# Altium PCB PCB_VHDCI_breakout.PCBDOC (part 6 of 6)
Units mm, origin at the board's own origin, x right, y up, seen from the top; angles counter-clockwise.
Board outline 159.99 x 100 mm, 4 copper layers (TopLayer, Internal Plane 1, Internal Plane 2, BottomLayer), stack 1.622 mm thick; 81 components, 168 nets, 660 pads, 330 vias.
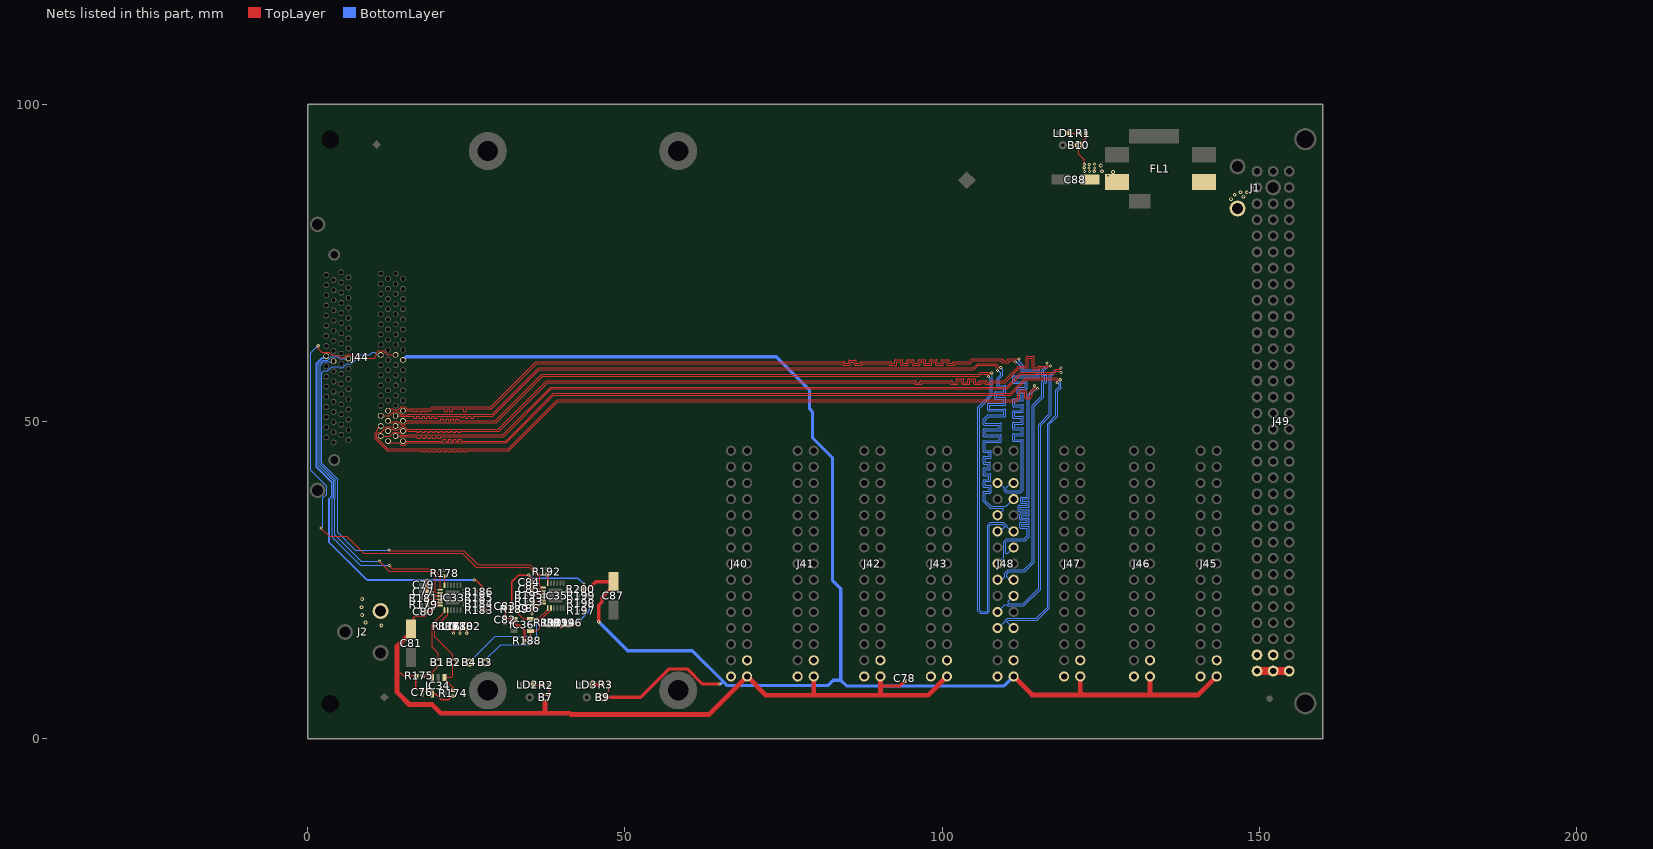
[diagram p8: the nets of this part, all layers, seen from the top]

## Via types
v1: diameter 0.5, hole 0.2, TopLayer to BottomLayer, tented both sides, 278 vias
v2: diameter 0.6, hole 0.3, TopLayer to BottomLayer, tented both sides, 52 vias

## Nets (pads, with @x,y where several pads share a name; then routed paths per layer and width w, separated by ;. In a path a pad name is that pad's centre, name@x,y a point inside that pad or via, vN(x,y) a via of type N, cw(c..) or ccw(c..) an arc to the next point about the centre after c; other vN are vias at no path point) (continued)
LVDS8_2_N: J44.U62 J48.6 | length 160.8
  TopLayer w0.127: J44.U62@15.025,51.671 15.044,51.69 15.825,51.69 15.85,51.665
  TopLayer w0.152: 15.85,51.665 16.2,51.665 16.403,51.665 16.81,51.665 16.81,51.487 17.216,51.487 17.216,51.665 17.622,51.665 17.622,51.487 18.029,51.487 18.029,51.665 18.435,51.665 18.435,51.487 18.842,51.487 18.842,51.665 19.248,51.665 19.485,51.665 19.816,51.996 20.019,51.996 20.425,51.996 20.832,51.996 21,51.996 ; v1(111.547,59.325) 111.547,59.453 111.486,59.514 110.595,59.514 110.595,59.405 cw(c110.443,59.405) 110.443,59.253 109.528,59.253 cw(c109.528,59.405) 109.376,59.405 109.376,59.514 104.814,59.514 104.395,59.095 101.995,59.095 101.995,58.959 cw(c101.843,58.959) 101.843,58.806 100.928,58.806 cw(c100.928,58.959) 100.776,58.959 100.776,59.389 100.166,59.389 100.166,58.959 cw(c100.014,58.959) 100.014,58.806 99.1,58.806 cw(c99.1,58.959) 98.947,58.959 98.947,59.389 98.338,59.389 98.338,58.959 cw(c98.185,58.959) 98.185,58.806 97.271,58.806 cw(c97.271,58.959) 97.118,58.959 97.118,59.389 96.509,59.389 96.509,58.959 cw(c96.356,58.959) 96.356,58.806 95.442,58.806 cw(c95.442,58.959) 95.29,58.959 95.29,59.389 94.68,59.389 94.68,58.959 cw(c94.528,58.959) 94.528,58.806 93.613,58.806 cw(c93.613,58.959) 93.461,58.959 93.461,59.389 92.851,59.389 92.851,58.959 cw(c92.699,58.959) 92.699,58.806 91.784,58.806 cw(c91.784,58.959) 91.632,58.959 91.632,59.095 87.395,59.095 87.395,59.004 cw(c87.243,59.004) 87.243,58.852 86.328,58.852 cw(c86.328,59.004) 86.176,59.004 86.176,59.343 85.566,59.343 85.566,59.004 cw(c85.414,59.004) 85.414,58.852 84.5,58.852 cw(c84.5,59.004) 84.347,59.004 84.347,59.095 36.095,59.095 28.996,51.996 26.1,51.996 25.5,51.996 25.422,51.996 25.016,51.996 25.016,51.487 24.61,51.487 24.61,51.996 24.203,51.996 24,51.996 23,51.996 ; 21,51.996 21.171,51.996 ; 21,51.996 21.171,51.996 ; 21.171,51.996 21.578,51.996 ; 21.171,51.996 21.578,51.996 ; 21.578,51.487 21.578,51.996 ; 21.578,51.487 21.578,51.996 ; 21.578,51.487 21.984,51.487 ; 21.578,51.487 21.984,51.487 ; 21.984,51.487 21.984,51.996 ; 21.984,51.487 21.984,51.996 ; 21.984,51.996 22.39,51.996 ; 21.984,51.996 22.39,51.996 ; 22.39,51.487 22.39,51.996 ; 22.39,51.487 22.39,51.996 ; 22.39,51.487 22.797,51.487 ; 22.39,51.487 22.797,51.487 ; 22.797,51.487 22.797,51.996 ; 22.797,51.487 22.797,51.996 ; 22.797,51.996 23,51.996 ; 22.797,51.996 23,51.996
  BottomLayer w0.152: J48.6@111.255,40.276 110.876,40.276 110.1,39.5 110.1,39.144 110.2,39.044 112.239,39.044 112.495,39.3 112.495,46.818 111.259,46.818 cw(c111.259,46.97) 111.106,46.97 111.106,47.884 cw(c111.259,47.884) 111.259,48.037 112.495,48.037 112.495,48.646 111.259,48.646 cw(c111.259,48.799) 111.106,48.799 111.106,49.713 cw(c111.259,49.713) 111.259,49.866 112.495,49.866 112.495,50.475 111.259,50.475 cw(c111.259,50.628) 111.106,50.628 111.106,51.542 cw(c111.259,51.542) 111.259,51.694 112.495,51.694 112.495,52.304 111.259,52.304 cw(c111.259,52.456) 111.106,52.456 111.106,53.371 cw(c111.259,53.371) 111.259,53.523 112.495,53.523 112.495,54.133 111.951,54.133 cw(c111.951,54.285) 111.799,54.285 111.799,55.2 cw(c111.951,55.2) 111.951,55.352 113.06,55.352 113.06,55.962 111.259,55.962 cw(c111.259,56.114) 111.106,56.114 111.106,57.028 cw(c111.259,57.028) 111.259,57.181 114.989,57.181 114.989,57.79 112.648,57.79 cw(c112.648,57.943) 112.495,57.943 112.495,58.604 111.774,59.325 v1(111.547,59.325)
LVDS8_2_P: J44.U28 J48.5 | length 157.1
  TopLayer w0.127: J44.U28@12.675,51.671 12.948,51.944 13.496,51.944 13.61,51.83 14.279,51.83 14.76,52.311 15.29,52.311 15.657,51.944 15.825,51.944 15.85,51.97
  TopLayer w0.152: 15.85,51.97 19.359,51.97 19.6,52.211 19.689,52.3 20.019,52.3 20.425,52.3 20.832,52.3 21,52.3 21.171,52.3 21.578,52.3 21.984,52.3 22.39,52.3 22.797,52.3 23,52.3 28.869,52.3 35.969,59.4 84.5,59.4 cw(c84.5,59.248) 84.652,59.248 84.652,59.157 85.262,59.157 85.262,59.496 cw(c85.414,59.496) 85.414,59.648 86.328,59.648 cw(c86.328,59.496) 86.481,59.496 86.481,59.157 87.09,59.157 87.09,59.248 cw(c87.243,59.248) 87.243,59.4 91.784,59.4 cw(c91.784,59.248) 91.937,59.248 91.937,59.111 92.546,59.111 92.546,59.541 cw(c92.699,59.541) 92.699,59.694 93.613,59.694 cw(c93.613,59.541) 93.766,59.541 93.766,59.111 94.375,59.111 94.375,59.541 cw(c94.528,59.541) 94.528,59.694 95.442,59.694 cw(c95.442,59.541) 95.594,59.541 95.594,59.111 96.204,59.111 96.204,59.541 cw(c96.356,59.541) 96.356,59.694 97.271,59.694 cw(c97.271,59.541) 97.423,59.541 97.423,59.111 98.033,59.111 98.033,59.541 cw(c98.185,59.541) 98.185,59.694 99.1,59.694 cw(c99.1,59.541) 99.252,59.541 99.252,59.111 99.862,59.111 99.862,59.541 cw(c100.014,59.541) 100.014,59.694 100.928,59.694 cw(c100.928,59.541) 101.081,59.541 101.081,59.111 101.69,59.111 101.69,59.248 cw(c101.843,59.248) 101.843,59.4 104.269,59.4 104.687,59.818 109.528,59.818 cw(c109.528,59.666) 109.681,59.666 109.681,59.558 110.29,59.558 110.29,59.666 cw(c110.443,59.666) 110.443,59.818 111.486,59.818 112.081,59.818 v1(112.1,59.8)
  BottomLayer w0.152: J48.5@108.715,40.276 109.019,40.276 109.795,39.5 109.795,39.018 110.074,38.739 112.365,38.739 112.8,39.174 112.8,46.97 ccw(c112.648,46.97) 112.648,47.122 111.411,47.122 111.411,47.732 112.648,47.732 ccw(c112.648,47.884) 112.8,47.884 112.8,48.799 ccw(c112.648,48.799) 112.648,48.951 111.411,48.951 111.411,49.561 112.648,49.561 ccw(c112.648,49.713) 112.8,49.713 112.8,50.628 ccw(c112.648,50.628) 112.648,50.78 111.411,50.78 111.411,51.39 112.648,51.39 ccw(c112.648,51.542) 112.8,51.542 112.8,52.456 ccw(c112.648,52.456) 112.648,52.609 111.411,52.609 111.411,53.218 112.648,53.218 ccw(c112.648,53.371) 112.8,53.371 112.8,54.285 ccw(c112.648,54.285) 112.648,54.438 112.104,54.438 112.104,55.047 113.212,55.047 ccw(c113.212,55.2) 113.365,55.2 113.365,56.114 ccw(c113.212,56.114) 113.212,56.266 111.411,56.266 111.411,56.876 115.141,56.876 ccw(c115.141,57.028) 115.294,57.028 115.294,57.943 ccw(c115.141,57.943) 115.141,58.095 112.8,58.095 112.8,58.731 112.702,58.828 112.025,59.505 112.025,59.733 v1@111.99,59.768
LVDS8_3_N: J44.U63 J48.9 | length 156.8
  TopLayer w0.127: J44.U63@13.875,50.871 14.56,50.871 14.654,50.776 15.395,50.776 15.42,50.801 15.825,50.801 15.85,50.776
  TopLayer w0.152: 15.85,50.776 16.2,50.776 16.403,50.776 16.81,50.776 16.81,50.497 17.216,50.497 17.216,50.776 17.622,50.776 17.622,50.497 18.029,50.497 18.029,50.776 18.435,50.776 18.435,50.497 18.842,50.497 18.842,50.776 19.248,50.776 19.248,50.497 19.654,50.497 19.654,50.776 20.061,50.776 20.061,50.497 20.467,50.497 20.467,50.776 20.874,50.776 21.28,50.776 21.686,50.776 22.093,50.776 22.499,50.776 22.906,50.776 23.312,50.776 23.718,50.776 24.125,50.776 24.125,50.667 24.531,50.667 24.531,50.776 24.938,50.776 24.938,50.497 25.344,50.497 25.344,50.776 25.75,50.776 25.75,50.497 26.157,50.497 26.157,50.776 26.563,50.776 26.7,50.776 29.207,50.776 36.526,58.095 104.995,58.095 105.702,58.802 108.298,58.802 108.5,58.6 108.5,58.518 108.778,58.239 v1@108.778,58.077
  TopLayer w0.254: v1@108.778,58.03 v1@108.778,58.077
  BottomLayer w0.152: J48.9@108.715,35.41 J48.9@108.715,35.196 108.796,35.196 109.6,36 109.6,36.295 107.574,36.295 107.484,36.384 106.48,37.389 106.48,38.842 cw(c106.632,38.842) 106.632,38.994 107.39,38.994 107.39,39.604 106.632,39.604 cw(c106.632,39.756) 106.48,39.756 106.48,40.671 cw(c106.632,40.671) 106.632,40.823 107.342,40.823 107.342,41.433 106.632,41.433 cw(c106.632,41.585) 106.48,41.585 106.48,42.5 cw(c106.632,42.5) 106.632,42.652 107.28,42.652 107.28,43.262 106.632,43.262 cw(c106.632,43.414) 106.48,43.414 106.48,44.328 cw(c106.632,44.328) 106.632,44.481 107.412,44.481 107.412,45.09 106.632,45.09 cw(c106.632,45.243) 106.48,45.243 106.48,46.821 cw(c106.632,46.821) 106.632,46.973 109.02,46.973 109.02,47.583 106.632,47.583 cw(c106.632,47.735) 106.48,47.735 106.48,48.65 cw(c106.632,48.65) 106.632,48.802 109.02,48.802 109.02,49.412 106.632,49.412 cw(c106.632,49.564) 106.48,49.564 106.48,50.295 107.208,51.023 109.684,51.023 109.684,51.633 107.325,51.633 cw(c107.325,51.785) 107.172,51.785 107.172,52.7 cw(c107.325,52.7) 107.325,52.852 109.684,52.852 109.684,53.462 108.464,53.462 cw(c108.464,53.614) 108.311,53.614 108.311,54.528 cw(c108.464,54.528) 108.464,54.681 109.684,54.681 109.684,55.29 108.852,55.29 cw(c108.852,55.443) 108.7,55.443 108.7,56.801 109.199,57.3 109.199,57.609 v1@108.778,58.03
  other v1: 108.7,58
LVDS8_3_P: J44.U29 J48.8 | length 156.1
  TopLayer w0.127: J44.U29@11.525,50.871 12.969,50.871 13.61,51.511 14.278,51.511 14.76,51.03 15.29,51.03 15.315,51.055 15.825,51.055 15.85,51.081
  TopLayer w0.152: 15.85,51.081 29.081,51.081 36.4,58.4 104.869,58.4 105.576,59.107 108.424,59.107 108.49,59.041 109.058,58.473 v1(109.221,58.473)
  BottomLayer w0.152: v1(109.221,58.473) 109.58,58.115 109.58,57.609 109.58,57.25 109.414,57.084 109.005,56.675 109.005,55.595 109.836,55.595 cw(c109.836,55.443) 109.989,55.443 109.989,54.528 cw(c109.836,54.528) 109.836,54.376 108.616,54.376 108.616,53.766 109.836,53.766 cw(c109.836,53.614) 109.989,53.614 109.989,52.7 cw(c109.836,52.7) 109.836,52.547 107.477,52.547 107.477,51.938 109.836,51.938 cw(c109.836,51.785) 109.989,51.785 109.989,50.871 cw(c109.836,50.871) 109.836,50.718 107.298,50.718 106.784,50.205 106.784,49.717 109.172,49.717 cw(c109.172,49.564) 109.324,49.564 109.324,48.65 cw(c109.172,48.65) 109.172,48.497 106.784,48.497 106.784,47.888 109.172,47.888 cw(c109.172,47.735) 109.324,47.735 109.324,46.821 cw(c109.172,46.821) 109.172,46.669 106.784,46.669 106.784,45.395 107.565,45.395 cw(c107.565,45.243) 107.717,45.243 107.717,44.328 cw(c107.565,44.328) 107.565,44.176 106.784,44.176 106.784,43.566 107.432,43.566 cw(c107.432,43.414) 107.585,43.414 107.585,42.5 cw(c107.432,42.5) 107.432,42.347 106.784,42.347 106.784,41.738 107.495,41.738 cw(c107.495,41.585) 107.647,41.585 107.647,40.671 cw(c107.495,40.671) 107.495,40.518 106.784,40.518 106.784,39.909 107.542,39.909 cw(c107.542,39.756) 107.695,39.756 107.695,38.842 cw(c107.542,38.842) 107.542,38.69 106.784,38.69 106.784,37.516 107.7,36.6 110.119,36.6 J48.8@111.255,37.736
LVDS8_4_N: J44.U64 J48.12 | length 156
  TopLayer w0.127: J44.U64@15.025,50.071 15.031,50.065 15.825,50.065 15.85,50.09
  TopLayer w0.152: 15.85,50.09 20.8,50.09 21.003,50.09 21.003,50.37 21.41,50.37 21.41,50.09 21.816,50.09 21.816,50.37 22.222,50.37 22.222,50.09 22.629,50.09 22.629,50.37 23.035,50.37 23.035,50.09 23.442,50.09 23.442,50.37 23.848,50.37 23.848,50.09 23.9,50.09 29.59,50.09 36.8,57.3 36.905,57.405 105.674,57.405 105.984,57.716 107.316,57.716 107.331,57.716 107.526,57.52 v1@107.688,57.52
  TopLayer w0.254: v1@107.688,57.52 v1@107.735,57.52
  BottomLayer w0.152: 107.905,57.351 107.905,54.07 105.921,52.086 105.921,20.2 106.121,20 107,20 107.173,20.173 107.173,33.655 107.584,34.066 109.598,34.066 110.137,33.526 110.137,33.4 110.881,32.656 J48.12@111.255,32.656
  other v1: 107.8,57.6
LVDS8_4_P: J44.U30 J48.11 | length 156.1
  TopLayer w0.127: J44.U30@12.675,50.071 12.935,49.811 13.509,49.811 13.61,49.911 14.278,49.911 14.76,49.43 15.29,49.43 15.67,49.811 15.825,49.811 15.85,49.785
  TopLayer w0.152: 15.85,49.785 29.716,49.785 37.031,57.1 105.8,57.1 106.111,57.411 107.189,57.411 107.292,57.308 v1(107.292,57.077)
  BottomLayer w0.152: v1(107.292,57.077) 107.6,56.769 107.6,54.196 105.616,52.212 105.616,31.568 105.641,31.543 105.641,20.084 106.005,19.721 107.116,19.721 107.452,20.057 107.452,33.513 107.7,33.761 109.471,33.761 109.832,33.4 109.089,32.656 J48.11@108.715,32.656
LVDS8_5_N: J44.U65 J48.15 | length 155.9
  TopLayer w0.127: 12.923,45.702 12.917,45.709 12.853,45.645 12.624,45.645 10.888,47.381 10.888,47.402 10.884,47.406 10.884,47.936 10.888,47.94 10.888,48.089 11.111,48.311 11.61,48.311 12.41,49.111 13.715,49.111 J44.U65@13.875,49.271
  TopLayer w0.152: 12.923,45.702 31.602,45.702 39.3,53.4 111.495,53.4 111.884,53.789 111.884,54.379 112.457,54.952 113.016,54.952 113.3,54.668 113.3,53.9 113.383,53.817 113.71,53.817 113.886,53.993 113.886,54.686 v1@114.678,55.478
  BottomLayer w0.152: J48.15@108.715,27.576 109.718,28.579 109.718,31.049 110.169,31.5 112.934,31.5 113.394,31.96 113.394,33.134 112.372,33.134 cw(c112.372,33.287) 112.219,33.287 112.219,33.947 cw(c112.372,33.947) 112.372,34.099 113.394,34.099 113.394,34.455 112.41,34.455 cw(c112.41,34.607) 112.258,34.607 112.258,35.268 cw(c112.41,35.268) 112.41,35.42 113.394,35.42 113.394,35.776 112.149,35.776 cw(c112.149,35.928) 111.996,35.928 111.996,36.589 cw(c112.149,36.589) 112.149,36.741 113.394,36.741 113.394,37.097 112.537,37.097 cw(c112.537,37.249) 112.385,37.249 112.385,37.909 cw(c112.537,37.909) 112.537,38.062 113.394,38.062 113.394,54.127 113.462,54.195 114.375,55.108 114.375,55.225 114.567,55.416 v1(114.567,55.59)
LVDS8_5_P: J44.U31 J48.14 | length 156.6
  TopLayer w0.127: J44.U31@11.525,49.271 11.087,48.834 11.087,48.647 10.634,48.194 10.634,48.045 10.63,48.041 10.63,47.3 10.634,47.297 10.634,47.276 12.519,45.391 12.853,45.391 12.859,45.398
  TopLayer w0.152: 12.859,45.398 17.5,45.398 17.703,45.398 18.11,45.398 18.11,45.239 18.516,45.239 18.516,45.398 18.922,45.398 18.922,45.239 19.329,45.239 19.329,45.398 19.735,45.398 19.735,45.239 20.142,45.239 20.142,45.398 20.548,45.398 20.548,45.239 20.954,45.239 20.954,45.398 21.361,45.398 21.361,45.239 21.767,45.239 21.767,45.398 22.174,45.398 22.174,45.239 22.58,45.239 22.58,45.398 22.986,45.398 22.986,45.239 23.393,45.239 23.393,45.398 23.799,45.398 23.799,45.239 24.206,45.239 24.206,45.398 24.612,45.398 24.612,45.239 25.018,45.239 25.018,45.398 25.1,45.398 31.729,45.398 39.426,53.095 111.701,53.095 112.245,53.639 112.245,54.345 112.573,54.673 112.9,54.673 113.021,54.552 113.021,53.679 113.163,53.537 113.826,53.537 113.831,53.542 113.867,53.542 114.073,53.749 114.184,53.859 114.184,54.553 v1@114.894,55.263
  BottomLayer w0.152: J48.14@111.255,30.116 110.339,29.2 110.023,29.2 110.023,30.923 110.295,31.195 113.061,31.195 113.699,31.834 113.699,33.287 ccw(c113.547,33.287) 113.547,33.439 112.524,33.439 112.524,33.795 113.547,33.795 ccw(c113.547,33.947) 113.699,33.947 113.699,34.607 ccw(c113.547,34.607) 113.547,34.76 112.563,34.76 112.563,35.115 113.547,35.115 ccw(c113.547,35.268) 113.699,35.268 113.699,35.928 ccw(c113.547,35.928) 113.547,36.081 112.301,36.081 112.301,36.436 113.547,36.436 ccw(c113.547,36.589) 113.699,36.589 113.699,37.249 ccw(c113.547,37.249) 113.547,37.401 112.69,37.401 112.69,37.757 113.547,37.757 ccw(c113.547,37.909) 113.699,37.909 113.699,54.001 114.68,54.982 114.797,54.982
  other v1: 115.01,55.147
LVDS8_6_N: J44.U66 J48.18 | length 156.5
  TopLayer w0.127: J44.U66@15.025,48.471 15.044,48.49 15.825,48.49 15.85,48.465
  TopLayer w0.152: 15.85,48.465 16.6,48.465 16.803,48.465 17.21,48.465 17.21,48.262 17.616,48.262 17.616,48.465 18.022,48.465 18.022,48.262 18.429,48.262 18.429,48.465 18.835,48.465 18.835,48.262 19.242,48.262 19.242,48.465 19.648,48.465 19.648,48.262 20.054,48.262 20.054,48.465 20.461,48.465 20.461,48.262 20.867,48.262 20.867,48.465 21.274,48.465 21.274,48.262 21.68,48.262 21.68,48.465 22.086,48.465 22.086,48.262 22.493,48.262 22.493,48.465 22.899,48.465 22.899,48.262 23.306,48.262 23.306,48.465 23.712,48.465 23.712,48.262 24.118,48.262 24.118,48.465 24.5,48.465 30.196,48.465 37.831,56.1 95.576,56.1 95.576,55.959 ccw(c95.728,55.959) 95.728,55.806 96.643,55.806 ccw(c96.643,55.959) 96.795,55.959 96.795,56.1 101.29,56.1 101.29,55.959 ccw(c101.442,55.959) 101.442,55.806 102.356,55.806 ccw(c102.356,55.959) 102.509,55.959 102.509,56.389 103.118,56.389 103.118,55.959 ccw(c103.271,55.959) 103.271,55.806 104.185,55.806 ccw(c104.185,55.959) 104.338,55.959 104.338,56.389 104.947,56.389 104.947,55.959 ccw(c105.1,55.959) 105.1,55.806 106.014,55.806 ccw(c106.014,55.959) 106.166,55.959 106.166,56.1 106.776,56.1 106.776,55.959 ccw(c106.928,55.959) 106.928,55.806 107.843,55.806 ccw(c107.843,55.959) 107.995,55.959 107.995,56.1 109.9,56.1 112.2,58.4 113.414,58.4 ccw(c113.414,58.552) 113.566,58.552 113.566,59.963 114.176,59.963 114.176,58.274 ccw(c114.328,58.274) 114.328,58.122 115.243,58.122 ccw(c115.243,58.274) 115.395,58.274 115.395,58.4 116.463,58.4 116.74,58.677 116.766,58.677
  TopLayer w0.254: v1@116.883,58.713 v1(117.057,58.713)
  BottomLayer w0.152: J48.18@111.255,25.036 110.601,25.036 110.137,25.5 110.137,25.9 110.505,26.268 112.994,26.268 114.5,27.774 114.5,52.4 116.005,53.905 116.005,56.076 116.298,56.076 ccw(c116.298,56.228) 116.45,56.228 116.45,57.143 ccw(c116.298,57.143) 116.298,57.295 116.005,57.295 116.005,57.942 116.776,58.713 v1(117.057,58.713)
LVDS8_6_P: J44.U32 J48.17 | length 155.6
  TopLayer w0.127: J44.U32@12.675,48.471 12.948,48.744 13.496,48.744 13.61,48.63 14.278,48.63 14.76,49.111 15.29,49.111 15.658,48.744 15.825,48.744 15.85,48.769
  TopLayer w0.152: 15.85,48.769 30.069,48.769 37.6,56.3 37.705,56.405 95.728,56.405 cw(c95.728,56.252) 95.881,56.252 95.881,56.111 96.49,56.111 96.49,56.252 cw(c96.643,56.252) 96.643,56.405 101.442,56.405 cw(c101.442,56.252) 101.594,56.252 101.594,56.111 102.204,56.111 102.204,56.541 cw(c102.356,56.541) 102.356,56.694 103.271,56.694 cw(c103.271,56.541) 103.423,56.541 103.423,56.111 104.033,56.111 104.033,56.541 cw(c104.185,56.541) 104.185,56.694 105.1,56.694 cw(c105.1,56.541) 105.252,56.541 105.252,56.111 105.862,56.111 105.862,56.252 cw(c106.014,56.252) 106.014,56.405 106.928,56.405 cw(c106.928,56.252) 107.081,56.252 107.081,56.111 107.69,56.111 107.69,56.252 cw(c107.843,56.252) 107.843,56.405 109.774,56.405 112.074,58.705 113.262,58.705 113.262,60.116 cw(c113.414,60.116) 113.414,60.268 114.328,60.268 cw(c114.328,60.116) 114.481,60.116 114.481,58.427 115.09,58.427 115.09,58.552 cw(c115.243,58.552) 115.243,58.705 116.337,58.705 v1@116.614,58.982
  BottomLayer w0.152: J48.17@108.715,25.036 109.369,25.036 109.832,25.5 109.832,26.026 110.379,26.573 112.868,26.573 114.195,27.9 114.195,52.526 114.5,52.831 115.7,54.031 115.7,56.228 cw(c115.852,56.228) 115.852,56.381 116.146,56.381 116.146,56.99 115.852,56.99 cw(c115.852,57.143) 115.7,57.143 115.7,58.068 116.614,58.982 v1@116.614,59.156
  other v1: 116.5,59.2
LVDS8_7_N: J44.U67 J48.21 | length 156.3
  TopLayer w0.127: J44.U67@13.875,47.671 14.56,47.671 14.654,47.576 15.799,47.576 15.825,47.551
  TopLayer w0.152: 15.825,47.551 16.7,47.551 16.903,47.551 17.31,47.551 17.31,47.296 17.716,47.296 17.716,47.551 18.122,47.551 18.122,47.296 18.529,47.296 18.529,47.551 18.935,47.551 18.935,47.296 19.342,47.296 19.342,47.551 19.748,47.551 19.748,47.296 20.154,47.296 20.154,47.551 20.561,47.551 20.561,47.296 20.967,47.296 20.967,47.551 21.374,47.551 21.7,47.551 30.882,47.551 38.426,55.095 110.226,55.095 112.542,57.411 115.605,57.411 ; 115.605,57.411 117.456,57.411 ; 117.457,57.411 117.511,57.411 117.6,57.5 118.004,57.904 118.496,57.904 v1(118.7,57.7)
  BottomLayer w0.152: J48.21@108.715,19.956 109.843,21.084 110.184,21.084 110.31,20.959 112.89,20.959 115.5,23.569 115.5,49.369 116.7,50.569 117.162,51.031 117.162,57.066 118.001,57.906 118.493,57.906 v1(118.7,57.7)
LVDS8_7_P: J44.U33 J48.20 | length 156
  TopLayer w0.127: J44.U33@11.525,47.671 12.969,47.671 13.61,48.311 14.278,48.311 14.76,47.83 15.799,47.83 15.825,47.856
  TopLayer w0.152: 15.825,47.856 30.756,47.856 38.3,55.4 110.1,55.4 112.416,57.716 115.479,57.716 ; 115.479,57.716 117.385,57.716 117.878,58.209 118.537,58.209 v1(118.746,58.417)
  BottomLayer w0.152: J48.20@111.255,22.496 110.4,21.641 110.4,21.3 110.436,21.264 112.764,21.264 115.195,23.695 115.195,49.495 116.857,51.157 116.857,57.193 117.875,58.211 118.539,58.211 v1(118.746,58.417)
LVDS8_8_N: J44.U68 J48.24 | length 155.9
  TopLayer w0.127: J44.U68@15.025,46.871 15.031,46.864 15.825,46.864 15.85,46.89
  TopLayer w0.152: 15.85,46.89 21.2,46.89 21.403,46.89 21.403,47.145 21.81,47.145 21.81,46.89 22.216,46.89 22.216,47.145 22.622,47.145 22.622,46.89 23.029,46.89 23.029,47.145 23.435,47.145 23.435,46.89 23.842,46.89 23.842,47.145 24.248,47.145 24.248,46.89 24.3,46.89 31.19,46.89 38.7,54.4 110.7,54.4 113.137,56.837 118.059,56.837 118.148,56.748 118.341,56.555 v1(118.607,56.555)
  BottomLayer w0.152: J48.24@111.255,17.416 111.121,17.416 110.137,18.4 110.394,18.657 110.704,18.657 110.713,18.648 114.979,18.648 114.988,18.657 116.905,20.574 116.905,49.505 118.205,50.805 118.205,54.711 118.794,55.3 118.717,55.376 118.717,55.989 118.607,56.1 v1(118.607,56.555)
LVDS8_8_P: J44.U34 J48.23 | length 156
  TopLayer w0.127: J44.U34@12.675,46.871 12.935,46.61 14.38,46.61 14.76,46.23 15.29,46.23 15.67,46.61 15.825,46.61 15.85,46.585
  TopLayer w0.152: 15.85,46.585 31.316,46.585 38.826,54.095 110.826,54.095 113.264,56.533 117.933,56.533 118.1,56.366 v1(118.1,56.1)
  BottomLayer w0.152: J48.23@108.715,17.416 108.849,17.416 109.832,18.4 109.832,18.526 110.268,18.962 110.83,18.962 110.839,18.953 114.853,18.953 116.6,20.7 116.6,49.631 117.9,50.931 117.9,54.914 118.413,55.426 118.413,55.863 118.175,56.1 v1(118.1,56.1)
NetB1_1: B1.1 IC33.1 IC34.3 R175.1 | length 13.8
  TopLayer w0.152: R175.1@18.1,9.877 19.427,9.877 IC34.3@19.651,9.653 19.651,10.451 20.6,11.4 20.6,13.451 19.651,14.4 19.651,18.027 21.585,19.96 IC33.1@21.585,20.251
NetB2_1: B2.1 IC33.2 IC34.1 R174.1 | length 16.4
  TopLayer w0.152: IC33.2@22.085,20.251 22.085,19.521 20.051,17.487 20.051,16.049 22.9,13.2 22.9,9.9 22.653,9.653 IC34.1@21.551,9.653 21.551,9.409 22.938,8.022 R174.1@22.938,7.603
NetB3_1: B3.1 IC35.1 IC36.3 R189.1 | length 19.5
  TopLayer w0.127: R189.1@33.11,20.372 33.11,19.724 33.976,18.858 IC36.3@35.133,18.858 v1(36.1,18.858) 36.384,18.858 37.841,20.316 IC35.1@37.841,20.581
  BottomLayer w0.127: B3.1@28,12 28,12.4 30.4,14.8 34.9,14.8 36.1,16 v1(36.1,18.858)
NetB4_1: B4.1 IC35.2 IC36.1 R188.1 | length 18.5
  TopLayer w0.127: R188.1@35.116,15.419 35.133,15.436 v1(35.133,16.1) IC36.1@35.133,16.958 36.109,16.958 36.577,17.426 36.577,18.582 37.766,19.771 37.855,19.771 38.341,20.257 IC35.2@38.341,20.581
  BottomLayer w0.127: B4.1@25.5,12 29.6,16.1 v1(35.133,16.1)
NetFL1_1: FL1.1 J1.3 J2.3
  other v2: 11.6,17.8 9.1,18.3 8.6,19.5 8.5,20.7 8.6,22 145.5,85 147.5,85.4 146.1,85.7 147,86.1 148,86.1
NetIC33_18: IC33.18 R178.2 | length 1.4
  TopLayer w0.127: IC33.18@21.585,24.151 21.585,25.561 R178.2@21.591,25.566
NetIC33_22: IC33.22 R181.2 | length 2.1
  TopLayer w0.152: R181.2@18.809,22.125 18.983,21.951 IC33.22@20.885,21.951
NetIC33_23: IC33.23 R179.2 | length 2.2
  TopLayer w0.152: R179.2@18.809,21.083 19.177,21.451 IC33.23@20.885,21.451
NetIC35_18: IC35.18 R192.2 | length 1.4
  TopLayer w0.254: R192.2@37.72,25.846 37.841,25.724 IC35.18@37.841,24.481
NetIC35_22: IC35.22 R195.2 | length 1.8
  TopLayer w0.127: R195.2@35.421,22.557 36.069,22.557 36.344,22.281 IC35.22@37.141,22.281
NetIC35_23: IC35.23 R193.2 | length 1.8
  TopLayer w0.127: R193.2@35.421,21.591 36.196,21.591 36.385,21.781 IC35.23@37.141,21.781
NetLD1_2: LD1.2 R1.1 | length 1.7
  TopLayer w0.152: LD1.2@120.025,95.4 R1.1@121.73,95.4
NetLD2_2: LD2.2 R2.2 | length 1.6
  TopLayer w0.127: LD2.2@35.525,8.5 35.625,8.4 R2.2@37.13,8.4
NetLD3_2: LD3.2 R3.2 | length 1.7
  TopLayer w0.508: LD3.2@44.825,8.5 R3.2@46.53,8.5
P3V3_MP1: B7.1 C76.2 C77.2 C78.2 C79.2 C80.2 C81.1 IC33.21 IC33.24 IC34.4 J40.30 J41.30 J42.30 J43.30 J44.L52 R2.1 R174.2 R175.2 R176.2 R177.2 R180.2 R182.2 R183.2 R184.2 R185.2 R186.2 | length 208.3
  TopLayer w0.127: B7.1@37.5,6.5 38.07,7.07 R2.1@38.07,8.4
  TopLayer w0.254: 14.1,10.9 15.123,9.877 R175.2@17.16,9.877 17.071,9.788 17.071,7.761 C76.2@18.061,7.761 19.237,7.761 IC34.4@19.484,7.514 ; C81.1@16.618,17.1 16.618,19.018 16.9,19.3 18.512,19.3 18.764,19.552 C80.2@18.764,19.991 19.33,19.991 v1(19.8,20.461) 20.29,20.951 IC33.24@20.885,20.951 ; v1(18.8,25) 18.789,24.989 C79.2@18.789,24.233 C77.2@18.789,23.166 19.508,23.166 v1(19.7,22.974) 20.223,22.451 IC33.21@20.885,22.451 ; IC34.4@19.651,7.053 20.147,7.053 21.1,6.1 22.2,6.1 22.763,6.663 R174.2@22.938,6.663 ; R176.2@21.946,17.21 R177.2@22.988,17.21 v1(22.988,16.537) ; v1(24.004,16.588) R180.2@24.004,17.21 ; v1(25.07,16.588) R182.2@25.07,17.235 ; v1(26.263,25) 26.498,25 27.496,24.002 R186.2@27.496,23.166 R185.2@27.496,22.201 R184.2@27.496,21.21 R183.2@27.496,20.22 28.18,20.22 v1(28.2,20.2)
  TopLayer w0.508: 90.255,8.297 93.347,8.297 C78.2@94.1,9.05
  TopLayer w0.762: C81.1@16.618,17.1 14.1,14.582 14.1,10.9 14.1,7.3 16.051,5.349 19.651,5.349 21,4 37.4,4 ; B7.1@37.5,6.5 37.4,6.4 37.4,4 ; J41.30@79.755,9.796 79.755,6.959 79.63,6.834 ; J42.30@90.255,9.796 90.255,8.297 90.255,6.902 90.323,6.834 ; J43.30@100.755,9.796 97.793,6.834 90.323,6.834 ; 37.4,4 41.316,4 41.504,3.811 63.27,3.811 J40.30@69.255,9.796 72.217,6.834 79.63,6.834 ; 79.63,6.834 90.323,6.834
  BottomLayer w0.254: J44.L52@2.945,60.271 2.566,60.271 2.566,59.948 2.243,59.948 1.347,59.052 1.347,42.851 3.816,40.382 3.816,38.198 3.379,37.761 3.379,30.962 9.168,25.173 9.184,25.188 9.372,25 v1(18.8,25) v1(26.263,25)
P3V3_MP2: B9.1 C82.2 C83.2 C84.2 C85.2 C86.2 C87.1 IC35.21 IC35.24 IC36.4 J44.U52 J45.30 J46.30 J47.30 J48.30 R3.1 R188.2 R189.2 R190.2 R191.2 R194.2 R196.2 R197.2 R198.2 R199.2 R200.2 | length 316.1
  TopLayer w0.152: B9.1@46.5,6.5 47.47,7.47 R3.1@47.47,8.5
  TopLayer w0.254: R188.2@34.176,15.419 34.176,17.066 33.359,17.883 32.97,17.883 32.533,18.319 IC36.4@32.533,18.858 31.403,18.858 C82.2@31.116,19.146 31.116,20.354 C83.2@31.141,20.379 32.162,20.379 R189.2@32.17,20.372 32.17,24.703 33.224,25.757 34.824,25.757 35.376,25.205 C84.2@35.376,24.639 C85.2@35.376,23.573 36.074,22.874 37.048,22.874 IC35.21@37.141,22.781 ; v1(35.357,19.661) 35.35,19.668 C86.2@35.35,20.55 36.018,20.55 36.749,21.281 IC35.24@37.141,21.281 ; R190.2@37.948,17.769 R191.2@38.99,17.769 R194.2@40.056,17.769 R196.2@41.098,17.769 42.05,17.769 v1(42.901,18.62) ; R200.2@43.549,23.573 v1(43.549,24.347) ; R199.2@43.574,22.531 43.676,22.43 v1(44.374,22.43) ; R197.2@43.6,20.144 R198.2@43.6,21.312 44.374,21.312 v1(44.4,21.337)
  TopLayer w0.508: R194.2@39.9,17.612 R194.2@40.056,17.769 ; R200.2@43.549,23.573 44.222,23.573 45.38,24.73 C87.1@48.184,24.73 48.184,24.004 46.381,22.201 46.381,21.49 45.873,20.982 v1(45.873,18.416) ; B9.1@46.5,6.5 52.519,6.5 57,10.981 59.8,10.981 62.181,8.6 v1(64.9,8.6)
  TopLayer w0.762: J48.30@111.255,9.796 114.166,6.885 122.2,6.885 ; J47.30@121.755,9.796 121.755,7.33 122.2,6.885 ; J46.30@132.755,9.796 132.755,6.899 132.741,6.885 ; J45.30@143.255,9.796 140.344,6.885 132.741,6.885 ; 122.2,6.885 132.741,6.885
  BottomLayer w0.254: v1(34.849,25.782) 35.357,25.274 ; v1(35.357,19.661) 35.357,25.274 ; v1(42.901,18.62) 44.4,20.118 v1(44.4,21.337) 44.4,22.404 v1(44.374,22.43) 43.549,23.255 v1(43.549,24.347) 42.622,25.274 35.357,25.274
  BottomLayer w0.508: J44.U52@15.025,59.671 15.528,60.174 73.838,60.174 79.096,54.916 79.096,51.97 79.553,51.513 79.553,47.447 82.7,44.3 82.7,24.947 84.024,23.623 84.024,9.196 ; v1(45.873,18.416) 50.445,13.844 60.63,13.844 65.475,9 ; v1(64.9,8.6) 65.075,8.6 65.475,9 ; J48.30@111.255,9.796 109.756,8.297 84.923,8.297 84.024,9.196 ; 65.475,9 66.117,8.358 81.966,8.358 82.805,9.196 84.024,9.196
P5V0: J49.a32 J49.b32 J49.c32 | length 5.1
  TopLayer w1.27: J49.c32@149.606,10.643 J49.b32@152.146,10.643 J49.a32@154.686,10.643
P12V0: B10.1 C88.1 FL1.2 J40.28 J40.29 J41.28 J41.29 J42.28 J42.29 J43.28 J43.29 J45.28 J45.29 J46.28 J46.29 J47.28 J47.29 J48.28 J48.29 J49.b31 J49.c31 R1.2 | length 5.7
  TopLayer w0.152: v1(122.402,90.518) 122.402,91.198 121.5,92.1 B10.1@121.5,93.5 122.67,94.67 R1.2@122.67,95.4
  other v1: 122.402,89.349 123.189,89.348 123.951,89.399 123.138,89.932 123.976,89.932 122.376,89.957 123.163,90.491 124.002,90.542
  other v2: 126.1,88.7 126.9,89.3 125.2,89.4 125,90.3
VHDCI1_SCL: IC33.19 J44.L17 | length 55.5
  TopLayer w0.127: v1(12.853,27.281) 13.361,26.773 19.711,26.773 20.885,25.599 IC33.19@20.885,23.451
  BottomLayer w0.127: J44.L17@6.445,59.871 5.027,59.871 4.722,60.176 3.756,60.176 3.21,59.63 2.374,59.63 1.664,58.92 1.664,43.065 4.133,40.596 4.133,38.066 3.861,37.794 3.861,31.726 4.234,31.354 4.323,31.354 4.581,31.096 4.581,31.006 8.306,27.281 v1(12.853,27.281)
VHDCI1_SDA: IC33.20 J44.L51 | length 52.1
  TopLayer w0.127: v1(11.304,27.967) 12.878,26.392 19.533,26.392 20.143,25.782 20.143,23.141 20.333,22.951 IC33.20@20.885,22.951
  BottomLayer w0.127: J44.L51@4.095,59.471 4,59.376 2.48,59.376 1.956,58.853 1.956,43.256 4.387,40.825 4.387,37.961 4.293,37.867 4.293,32.107 8.433,27.967 v1(11.304,27.967)
VHDCI2_SCL: IC35.19 J44.U17 | length 74.3
  TopLayer w0.127: J44.U17@11.525,60.471 J44.U17@11.525,60.511 ; v1(12.828,29.719) 12.929,29.618 24.639,29.618 26.874,27.383 35.053,27.383 36.564,25.871 36.564,24.093 36.876,23.781 IC35.19@37.141,23.781
  BottomLayer w0.127: J44.U17@11.525,60.471 10.969,60.471 10.546,60.894 10.181,60.894 9.758,60.471 8.375,60.471 6.96,59.056 6.186,59.056 5.56,58.43 5.029,58.43 4.835,58.625 3.811,58.625 3.176,57.99 2.515,57.99 2.21,57.685 2.21,43.408 4.725,40.893 4.725,32.488 7.494,29.719 v1(12.828,29.719)
VHDCI2_SDA: IC35.20 J44.U51 | length 85.6
  TopLayer w0.127: v1(1.685,61.909) 1.685,61.462 2.235,60.911 3.348,60.911 3.857,60.403 4.657,60.403 5.029,60.03 5.698,60.03 6.179,60.511 6.877,60.511 7.443,59.945 10.479,59.945 10.804,60.271 10.804,60.691 11.225,61.111 11.928,61.111 12.569,60.471 J44.U51@13.875,60.471 ; v1(2.108,33.172) 3.402,31.878 6.173,31.878 8.814,29.237 24.334,29.237 26.594,26.976 34.926,26.976 36.221,25.681 36.221,23.877 36.817,23.281 IC35.20@37.141,23.281
  BottomLayer w0.127: v1(1.685,61.909) 1.595,61.909 0.457,60.771 0.457,42.316 2.99,39.783 2.99,38.54 2.413,37.962 2.413,33.477 v1(2.108,33.172)
pads on no net: FTG25.FTG2 FTG26.1 FTG27.1 FTG28.1 IC33.12 IC33.13 IC33.14 IC33.15 IC33.16 IC33.17 IC34.5 IC35.12 IC35.13 IC35.14 IC35.15 IC35.16 IC35.17 IC36.5 J1.2 J2.2 J49.a1 J49.a2 J49.a3 J49.a4 J49.a5 J49.a6 J49.a7 J49.a8 J49.a10 J49.a12 J49.a13 J49.a14 J49.a15 J49.a16 J49.a18 J49.a20 J49.a21 J49.a22 J49.a23 J49.a24 J49.a25 J49.a26 J49.a27 J49.a28 J49.a29 J49.a30 J49.a31 J49.b1 J49.b3 J49.b4 J49.b5 J49.b6 J49.b7 J49.b8 J49.b9 J49.b10 J49.b11 J49.b13 J49.b14 J49.b15 J49.b16 J49.b17 J49.b18 J49.b19 J49.b21 J49.b24 J49.b25 J49.b26 J49.b27 J49.b28 J49.b29 J49.b30 J49.c1 J49.c2 J49.c3 J49.c4 J49.c5 J49.c6 J49.c7 J49.c8 J49.c10 J49.c11 J49.c12 J49.c13 J49.c14 J49.c15 J49.c16 J49.c17 J49.c18 J49.c19 J49.c20 J49.c21 J49.c22 J49.c23 J49.c24 J49.c25 J49.c26 J49.c27 J49.c28 J49.c29 J49.c30 J49.MTG1 J49.MTG2
copper on no net: | length 2675.9
  TopLayer w0.025: 173.214,81.011 174.222,80.003 ; 173.214,82.535 175.746,80.003 ; 173.214,84.059 176.262,81.011 177.27,80.003 ; 173.214,85.583 176.262,82.535 178.794,80.003 ; 173.214,87.107 176.262,84.059 179.31,81.011 180.318,80.003 ; 173.214,88.631 176.262,85.583 179.31,82.535 181.842,80.003 ; 173.214,90.155 176.262,87.107 179.31,84.059 182.358,81.011 183.366,80.003 ; 173.214,91.679 176.262,88.631 179.31,85.583 182.358,82.535 184.89,80.003 ; 173.214,93.203 176.262,90.155 179.31,87.107 182.358,84.059 185.406,81.011 186.414,80.003 ; 173.214,94.727 176.262,91.679 179.31,88.631 182.358,85.583 185.406,82.535 187.938,80.003 ; 173.214,96.251 176.262,93.203 179.31,90.155 182.358,87.107 185.406,84.059 188.454,81.011 189.462,80.003 ; 173.214,97.775 176.262,94.727 179.31,91.679 182.358,88.631 185.406,85.583 188.454,82.535 190.986,80.003 ; 173.214,99.299 176.262,96.251 179.31,93.203 182.358,90.155 185.406,87.107 188.454,84.059 191.502,81.011 192.51,80.003 ; 173.214,100.823 176.262,97.775 179.31,94.727 182.358,91.679 185.406,88.631 188.454,85.583 191.502,82.535 194.034,80.003 ; 173.214,102.347 176.262,99.299 179.31,96.251 182.358,93.203 185.406,90.155 188.454,87.107 191.502,84.059 194.55,81.011 195.558,80.003 ; 173.214,103.871 176.262,100.823 179.31,97.775 182.358,94.727 185.406,91.679 188.454,88.631 191.502,85.583 194.55,82.535 197.082,80.003 ; 173.214,105.395 176.262,102.347 179.31,99.299 182.358,96.251 185.406,93.203 188.454,90.155 191.502,87.107 194.55,84.059 197.598,81.011 198.606,80.003 ; 173.214,106.919 176.262,103.871 179.31,100.823 182.358,97.775 185.406,94.727 188.454,91.679 191.502,88.631 194.55,85.583 197.598,82.535 200.13,80.003 ; 173.214,108.443 176.262,105.395 179.31,102.347 182.358,99.299 185.406,96.251 188.454,93.203 191.502,90.155 194.55,87.107 197.598,84.059 200.646,81.011 201.654,80.003 ; 174.738,108.443 176.262,106.919 179.31,103.871 182.358,100.823 185.406,97.775 188.454,94.727 191.502,91.679 194.55,88.631 197.598,85.583 200.646,82.535 203.178,80.003 ; 176.262,108.443 179.31,105.395 182.358,102.347 185.406,99.299 188.454,96.251 191.502,93.203 194.55,90.155 197.598,87.107 200.646,84.059 203.694,81.011 204.702,80.003 ; 177.786,108.443 179.31,106.919 182.358,103.871 185.406,100.823 188.454,97.775 191.502,94.727 194.55,91.679 197.598,88.631 200.646,85.583 203.694,82.535 206.226,80.003 ; 179.31,108.443 182.358,105.395 185.406,102.347 188.454,99.299 191.502,96.251 194.55,93.203 197.598,90.155 200.646,87.107 203.694,84.059 206.742,81.011 ; 180.834,108.443 182.358,106.919 185.406,103.871 188.454,100.823 191.502,97.775 194.55,94.727 197.598,91.679 200.646,88.631 203.694,85.583 206.742,82.535 ; 182.358,108.443 185.406,105.395 188.454,102.347 191.502,99.299 194.55,96.251 197.598,93.203 200.646,90.155 203.694,87.107 206.742,84.059 ; 183.882,108.443 185.406,106.919 188.454,103.871 191.502,100.823 194.55,97.775 197.598,94.727 200.646,91.679 203.694,88.631 206.742,85.583 ; 185.406,108.443 188.454,105.395 191.502,102.347 194.55,99.299 197.598,96.251 200.646,93.203 203.694,90.155 206.742,87.107 ; 186.93,108.443 188.454,106.919 191.502,103.871 194.55,100.823 197.598,97.775 200.646,94.727 203.694,91.679 206.742,88.631 ; 188.454,108.443 191.502,105.395 194.55,102.347 197.598,99.299 200.646,96.251 203.694,93.203 206.742,90.155 ; 189.978,108.443 191.502,106.919 194.55,103.871 197.598,100.823 200.646,97.775 203.694,94.727 206.742,91.679 ; 191.502,108.443 194.55,105.395 197.598,102.347 200.646,99.299 203.694,96.251 206.742,93.203 ; 193.026,108.443 194.55,106.919 197.598,103.871 200.646,100.823 203.694,97.775 206.742,94.727 ; 194.55,108.443 197.598,105.395 200.646,102.347 203.694,99.299 206.742,96.251 ; 196.074,108.443 197.598,106.919 200.646,103.871 203.694,100.823 206.742,97.775 ; 197.598,108.443 200.646,105.395 203.694,102.347 206.742,99.299 ; 199.122,108.443 200.646,106.919 203.694,103.871 206.742,100.823 ; 200.646,108.443 203.694,105.395 206.742,102.347 ; 202.17,108.443 203.694,106.919 206.742,103.871 ; 203.694,108.443 206.742,105.395 ; 205.218,108.443 206.742,106.919
  TopLayer w0.381: 170.166,0.776 206.742,0.776 ; 170.166,27.185 206.742,27.185 ; 170.166,49.023 206.742,49.023 ; 170.166,65.529 206.742,65.529 ; 170.166,80.003 206.742,80.003 ; 173.214,-9.636 173.214,108.443 ; 176.262,-9.636 176.262,0.776 176.262,27.185 176.262,49.023 176.262,65.529 176.262,80.003 176.262,108.443 ; 179.31,-9.636 179.31,0.776 179.31,27.185 179.31,49.023 179.31,65.529 179.31,80.003 179.31,108.443 ; 182.358,-9.636 182.358,0.776 182.358,27.185 182.358,49.023 182.358,65.529 182.358,80.003 182.358,108.443 ; 185.406,-9.636 185.406,0.776 185.406,27.185 185.406,49.023 185.406,65.529 185.406,80.003 185.406,108.443 ; 188.454,-9.636 188.454,0.776 188.454,27.185 188.454,49.023 188.454,65.529 188.454,80.003 188.454,108.443 ; 191.502,-9.636 191.502,0.776 191.502,27.185 191.502,49.023 191.502,65.529 191.502,80.003 191.502,108.443 ; 194.55,-9.636 194.55,0.776 194.55,27.185 194.55,49.023 194.55,65.529 194.55,80.003 194.55,108.443 ; 197.598,-9.636 197.598,0.776 197.598,27.185 197.598,49.023 197.598,65.529 197.598,80.003 197.598,108.443 ; 200.646,-9.636 200.646,0.776 200.646,27.185 200.646,49.023 200.646,65.529 200.646,80.003 200.646,108.443 ; 203.694,-9.636 203.694,0.776 203.694,27.185 203.694,49.023 203.694,65.529 203.694,80.003 203.694,108.443 ; 206.742,0.776 206.742,27.185 ; 206.742,0.776 206.742,-9.636 170.166,-9.636 170.166,108.443 206.742,108.443 206.742,80.003 ; 206.742,27.185 206.742,49.023 ; 206.742,49.023 206.742,65.529 ; 206.742,65.529 206.742,80.003
  other v1: 90.6,85.8 89.2,86.4 96.9,89.1 99.8,90 101.4,90.4

## Polygon pours and split planes (outlines as drawn)
P12V0 on TopLayer "L3-No Net" (solid, pour order 8): 130.4,89.5 130.4,86.4 130.1,86.1 129.807,85.807 127.702,85.807 121.793,85.807 121.2,86.4 121,86.6 121,90 121,90.1 121.7,90.8 121.8,90.9 123.3,90.9 125,90.9 125.4,90.5 126.1,89.8 128.6,89.8 130.1,89.8 130.4,89.5
NetFL1_1 on TopLayer "L3-No Net" (solid, pour order 6): 138,89 145.3,89 148.3,89 148.7,88.6 148.9,88.4 148.9,86.9 148.9,82.6 148.2,81.9 147.6,81.3 145.6,81.3 143.6,81.3 142.5,82.4 140.2,84.7 138.6,84.7 138,84.7 137.5,85.2 137.1,85.6 137.1,87 137.1,88.3 137.8,89 138.1,89
INPUT_GND on TopLayer "L3-No Net" (solid, remove dead copper, pour order 4): 139,89.3 138.1,90.2 138.1,90.4 138.1,94.3 138.3,94.5 143.7,94.5 148.2,94.5 148.7,94 148.9,93.8 148.9,91.9 148.9,90.2 148.4,89.7 148,89.3 139,89.3
GND on TopLayer "top_gnd" (solid, remove dead copper, pour order 0): 6.096,97.003 154.686,97.003 154.686,91.923 158.496,91.923 158.496,8.103 154.686,8.103 154.686,3.023 6.096,3.023 6.096,8.103 -0.051,8.103 -0.051,91.923 6.096,91.923
P12V0 on BottomLayer "L3-No Net" (solid, pour order 14): 148.4,14.6 153.1,14.6 153.5,14.2 153.5,12.6 153.5,12.3 153.1,11.9 150.5,11.9 145.7,11.9 145.4,11.6 144.9,11.1 142.8,11.1 142.6,11.3 142.3,11.6 142.1,11.8 142.1,13.2 142.1,13.3 142.5,13.7 142.6,13.8 144.7,13.8 147.6,13.8
INPUT_GND on BottomLayer "L3-No Net" (solid, pour order 12): 4,18.6 6.9,18.6 7.3,18.2 9,16.5 9,15.4 9,14 8.7,13.7 8.1,13.1 6.4,13.1 4.6,13.1 4,13.7 3.3,14.4 3.3,16.2 3.3,17.9 3.9,18.5
NetFL1_1 on BottomLayer "L3-No Net" (solid, pour order 10): 8.1,22.6 12,22.6 13.4,21.2 13.4,17.7 13.1,17.7 12.1,16.7 12,16.8 9.4,16.8 9,16.8 7.8,18 7.3,18.5 7.3,21.4 7.3,21.8 8.1,22.6
GND on BottomLayer "top_gnd" (solid, remove dead copper, pour order 2): 6.096,97.003 154.686,97.003 154.686,91.923 158.496,91.923 158.496,8.103 154.686,8.103 154.686,3.127 154.75,3.063 154.71,3.023 6.096,3.023 6.096,8.103 -0.051,8.103 -0.051,91.923 6.096,91.923
INPUT_GND on Internal Plane 1 (split plane): 159.484,0.51 0.51,0.51 0.51,20.171 5.846,20.171 7.671,18.346 7.671,7.2 7.68,7.15 7.708,7.108 10.308,4.508 10.35,4.48 10.4,4.471 148,4.471 148.05,4.48 148.092,4.508 154.778,11.194 154.806,11.236 154.815,11.286 154.815,83.972 154.806,84.022 154.778,84.064 153.95,84.892 153.908,84.92 153.858,84.929 147.654,84.929 143.192,89.392 143.15,89.42 143.1,89.429 139.054,89.429 138.229,90.254 138.229,99.489 159.484,99.489
GND on Internal Plane 1 (split plane): 137.971,90.2 137.98,90.15 138.008,90.108 138.908,89.208 138.95,89.18 139,89.171 143.046,89.171 147.508,84.708 147.55,84.68 147.6,84.671 153.805,84.671 154.557,83.919 154.557,11.34 147.946,4.729 10.454,4.729 7.929,7.254 7.929,18.4 7.92,18.45 7.892,18.492 5.992,20.392 5.95,20.42 5.9,20.429 0.51,20.429 0.51,99.489 137.971,99.489
GND on Internal Plane 2 (split plane): 53.371,25.646 53.371,4.729 39.629,4.729 39.629,7.4 39.62,7.45 39.592,7.492 38.592,8.492 38.55,8.52 38.5,8.529 34.254,8.529 32.129,10.654 32.129,27.171 51.846,27.171
P3V3_MP1 on Internal Plane 2 (split plane): 31.871,10.6 31.88,10.55 31.908,10.508 34.108,8.308 34.15,8.28 34.2,8.271 38.446,8.271 39.371,7.346 39.371,4.729 17.254,4.729 13.529,8.454 13.529,21.2 13.52,21.25 13.492,21.292 12.129,22.654 12.129,23.646 15.654,27.171 31.871,27.171
P12V0 on Internal Plane 2 (split plane): 139.108,91.308 139.15,91.28 139.2,91.271 141.746,91.271 146.117,86.9 144.808,85.592 144.78,85.55 144.771,85.5 144.771,83.6 144.78,83.55 144.808,83.508 147.208,81.108 147.25,81.08 147.3,81.071 151.046,81.071 154.557,77.56 154.557,13.84 145.446,4.729 65.251,4.729 65.251,12.637 66.263,13.649 144.2,13.649 144.239,13.654 144.276,13.669 144.307,13.693 146.807,16.193 146.831,16.224 146.846,16.261 146.851,16.3 146.851,66.595 146.846,66.634 146.831,66.671 146.829,66.673 146.829,75.8 146.82,75.85 146.792,75.892 143.229,79.454 143.229,80.6 143.22,80.65 143.192,80.692 139.092,84.792 139.05,84.82 139,84.829 128.649,84.829 127.742,85.737 127.741,85.739 127.726,85.776 127.702,85.807 127.671,85.831 127.634,85.846 127.595,85.851 123.263,85.851 121.651,87.463 121.651,91.137 123.963,93.449 125,93.449 125.039,93.454 125.076,93.469 125.078,93.471 136.946,93.471
GND on Internal Plane 2 (split plane): 159.484,87.029 146.354,87.029 141.892,91.492 141.85,91.52 141.8,91.529 139.254,91.529 137.092,93.692 137.05,93.72 137,93.729 125.078,93.729 125.076,93.731 125.039,93.746 125,93.751 123.9,93.751 123.861,93.746 123.824,93.731 123.793,93.707 121.393,91.307 121.369,91.276 121.354,91.239 121.349,91.2 121.349,87.4 121.354,87.361 121.369,87.324 121.393,87.293 123.093,85.593 123.124,85.569 123.161,85.554 123.2,85.549 127.563,85.549 128.504,84.608 128.546,84.58 128.595,84.571 138.946,84.571 142.971,80.546 142.971,79.4 142.98,79.35 143.008,79.308 146.571,75.746 146.571,66.673 146.569,66.671 146.554,66.634 146.549,66.595 146.549,16.363 144.137,13.951 66.2,13.951 66.161,13.946 66.124,13.931 66.093,13.907 64.993,12.807 64.969,12.776 64.963,12.761 64.954,12.739 64.949,12.7 64.949,4.729 53.629,4.729 53.629,25.7 53.62,25.75 53.592,25.792 51.992,27.392 51.95,27.42 51.9,27.429 15.6,27.429 15.55,27.42 15.508,27.392 11.908,23.792 11.88,23.75 11.871,23.7 11.871,22.729 0.51,22.729 0.51,99.489 159.484,99.489
NetFL1_1 on Internal Plane 2 (split plane): 159.484,0.51 0.51,0.51 0.51,22.471 11.946,22.471 13.271,21.146 13.271,8.4 13.28,8.35 13.308,8.308 17.108,4.508 17.15,4.48 17.2,4.471 65.022,4.471 65.024,4.469 65.061,4.454 65.1,4.449 65.139,4.454 65.176,4.469 65.178,4.471 145.5,4.471 145.55,4.48 145.592,4.508 154.778,13.694 154.806,13.736 154.815,13.786 154.815,77.614 154.806,77.664 154.778,77.706 151.192,81.292 151.15,81.32 151.1,81.329 147.354,81.329 145.029,83.654 145.029,85.446 146.354,86.771 159.484,86.771

## Keep-outs
KeepOutLayer:
  lines w0.203: -0.051,8.103 6.096,8.103 6.096,3.023 154.686,3.023 154.686,8.103 158.496,8.103 158.496,91.923 154.686,91.923 154.686,97.003 6.096,97.003 6.096,91.923 -0.051,91.923 -0.051,8.103

## Other copper
TopLayer:
  rectangle net P12V0: 122.046,88.867 124.459,90.848
  rectangle net GND: 115.29,87.114 117.703,89.095
  text "Board Layer Stack" at 172.452,81.527 h1.52 r90
  text "Constant" at 172.452,67.053 h1.52 r90
  text "4.5" at 178.548,67.053 h1.52 r90
  text "4.5" at 184.644,67.053 h1.52 r90
  text "4.5" at 190.74,67.053 h1.52 r90
  text "4.5" at 196.836,67.053 h1.52 r90
  text "4.5" at 202.932,67.053 h1.52 r90
  text "Thickness" at 172.452,50.547 h1.52 r90
  text "0.40mil" at 178.548,50.547 h1.52 r90
  text "2.21mil" at 181.596,50.547 h1.52 r90
  text "7.09mil" at 184.644,50.547 h1.52 r90
  text "1.38mil" at 187.692,50.547 h1.52 r90
  text "42.52mil" at 190.74,50.547 h1.52 r90
  text "1.38mil" at 193.788,50.547 h1.52 r90
  text "7.09mil" at 196.836,50.547 h1.52 r90
  text "2.21mil" at 199.884,50.547 h1.52 r90
  text "0.40mil" at 202.932,50.547 h1.52 r90
  text "Material" at 172.452,28.709 h1.52 r90
  text "Solder Resist" at 178.548,28.709 h1.52 r90
  text "Copper" at 181.596,28.709 h1.52 r90
  text "FR-4" at 184.644,28.709 h1.52 r90
  text "Copper" at 187.692,28.709 h1.52 r90
  text "Copper" at 193.788,28.709 h1.52 r90
  text "FR-4" at 196.836,28.709 h1.52 r90
  text "Copper" at 199.884,28.709 h1.52 r90
  text "Solder Resist" at 202.932,28.709 h1.52 r90
  text "Name" at 172.452,2.3 h1.52 r90
  text "TopOverlay" at 175.5,2.3 h1.52 r90
  text "TopSolder" at 178.548,2.3 h1.52 r90
  text "TopLayer" at 181.596,2.3 h1.52 r90
  text "Dielectric1" at 184.644,2.3 h1.52 r90
  text "Internal Plane 1" at 187.692,2.3 h1.52 r90
  text "Dielectric 10" at 190.74,2.3 h1.52 r90
  text "Internal Plane 2" at 193.788,2.3 h1.52 r90
  text "Dielectric9" at 196.836,2.3 h1.52 r90
  text "BottomLayer" at 199.884,2.3 h1.52 r90
  text "BottomSolder" at 202.932,2.3 h1.52 r90
  text "BottomOverlay" at 205.98,2.3 h1.52 r90
  text "Layer" at 172.452,-8.112 h1.52 r90
  text "1" at 175.5,-8.112 h1.52 r90
  text "2" at 178.548,-8.112 h1.52 r90
  text "3" at 181.596,-8.112 h1.52 r90
  text "4" at 184.644,-8.112 h1.52 r90
  text "5" at 187.692,-8.112 h1.52 r90
  text "6" at 190.74,-8.112 h1.52 r90
  text "7" at 193.788,-8.112 h1.52 r90
  text "8" at 196.836,-8.112 h1.52 r90
  text "9" at 199.884,-8.112 h1.52 r90
  text "10" at 202.932,-8.112 h1.52 r90
  text "11" at 205.98,-8.112 h1.52 r90
Internal Plane 1 (plane layer: these items are gaps in the copper):
  lines w0.254: 0,20.3 5.9,20.3 7.8,18.4 7.8,7.2 10.4,4.6 30.8,4.6 148,4.6 154.686,11.286 154.686,83.972 153.858,84.8 149.7,84.8 ; 137.9,100.1 138.1,99.9 138.1,90.2 139,89.3 143.1,89.3 147.6,84.8 150.7,84.8
Internal Plane 2 (plane layer: these items are gaps in the copper):
  lines w0.254: -0.1,22.6 12,22.6 ; 39.5,4.6 39.5,7.4 38.5,8.4 34.2,8.4 32,10.6 32,27.3 ; 53.5,4.6 53.5,25.7 51.9,27.3 32,27.3 ; 124.6,93.6 137,93.6 139.2,91.4 141.8,91.4 146.3,86.9 ; 127.595,85.7 128.595,84.7 139,84.7 143.1,80.6 143.1,79.4 146.7,75.8 146.7,66.595 ; 160,86.9 146.3,86.9 ; 12,22.6 12,23.7 15.6,27.3 32,27.3 ; 12,22.6 13.4,21.2 13.4,8.4 17.2,4.6 145.5,4.6 154.686,13.786 154.686,77.614 151.1,81.2 147.3,81.2 144.9,83.6 144.9,85.5 146.3,86.9
  lines w0.3: 65.1,4.6 65.1,12.7 66.2,13.8 144.2,13.8 146.7,16.3 146.7,66.595 ; 125,93.6 123.9,93.6 121.5,91.2 121.5,87.4 123.2,85.7 127.595,85.7

## Silkscreen, mask and mechanical layers (free items; w line width, h text height)
TopOverlay:
  drawing of 1225 lines, arcs and shapes, not listed
  text "12V" at 115.007,95.193 h1
  text "12V" at 122.7,93 h1
  text "GND" at 117.4,91.1 h1
  text "PCB VHDCI breakout rev1.1" at 55.677,74.371 h1.5
  text "8x Extension boards" at 87.1,59.8 h1.5
  text "UPPER VHDCI" at 79.3,55.6 h1.27
  text "LOWER VHDCI" at 119.7,55.6 h1.27
  text "To METLINO" at 18.466,53.289 h1.5 r90
  text "LVDS1" at 64.9,52.275 h1.27
  text "LVDS2" at 75.457,52.275 h1.27
  text "LVDS3" at 86.014,52.275 h1.27
  text "LVDS4" at 96.571,52.275 h1.27
  text "LVDS8" at 107.129,52.275 h1.27
  text "LVDS7" at 117.686,52.275 h1.27
  text "LVDS6" at 128.243,52.275 h1.27
  text "LVDS5" at 138.8,52.275 h1.27
  text "MP2" at 43,9.4 h1
  text "MP1" at 33.6,9.3 h1
  text "MP1" at 38.9,5.9 h1
  text "MP2" at 47.9,5.9 h1
  text "GND" at 33.4,4.1 h1
  text "GND" at 42.5,3.9 h1
BottomOverlay:
  drawing of 1216 lines, arcs and shapes, not listed
Mechanical1:
  the board outline again, w0.508
Mechanical8:
  lines w0.1: -2.544,-0.038 -2.544,115.856

## Dimensions
3.556,-0.508 to 0,0 on Mechanical4
-0.508,5.512 to 0,0 on Mechanical4

## Text inside footprints (layer, text, board x,y; h text height)
J40: TopOverlay "30" at 70.652,10.431 h1.02 r270; Mechanical14 "30" at 70.652,10.431 h1.02 r270
J41: TopOverlay "30" at 81.152,10.431 h1.02 r270; Mechanical14 "30" at 81.152,10.431 h1.02 r270
J42: TopOverlay "30" at 91.652,10.431 h1.02 r270; Mechanical14 "30" at 91.652,10.431 h1.02 r270
J43: TopOverlay "30" at 102.152,10.431 h1.02 r270; Mechanical14 "30" at 102.152,10.431 h1.02 r270
J44: TopOverlay "UPPER" at 10.033,57.517 h1.2 r90; Mechanical14 "UPPER" at 10.033,57.517 h1.2 r90; Mechanical14 "LOWER" at 0.743,57.567 h1.2 r90
J45: TopOverlay "30" at 144.652,10.431 h1.02 r270; Mechanical14 "30" at 144.652,10.431 h1.02 r270
J46: TopOverlay "30" at 134.152,10.431 h1.02 r270; Mechanical14 "30" at 134.152,10.431 h1.02 r270
J47: TopOverlay "30" at 123.152,10.431 h1.02 r270; Mechanical14 "30" at 123.152,10.431 h1.02 r270
J48: TopOverlay "30" at 112.652,10.431 h1.02 r270; Mechanical14 "30" at 112.652,10.431 h1.02 r270
J49: TopOverlay "30" at 146.116,15.073 h1.2; TopOverlay "25" at 146.228,28.042 h1.2; TopOverlay "20" at 146.116,40.473 h1.2; TopOverlay "15" at 146.216,53.273 h1.2; TopOverlay "10" at 146.191,65.873 h1.2; TopOverlay "5" at 147.241,78.523 h1.2; TopOverlay "32" at 146.116,9.993 h1.2; TopOverlay "1" at 147.641,88.833 h1.2; TopOverlay "c" at 149.786,91.408 h1.2 r90; TopOverlay "b" at 151.936,91.463 h1.2 r90; TopOverlay "a" at 153.511,91.433 h1.2 r90; Mechanical14 "a" at 153.511,91.433 h1.2 r90; Mechanical14 "b" at 151.936,91.463 h1.2 r90; Mechanical14 "c" at 149.786,91.408 h1.2 r90; Mechanical14 "30" at 146.116,15.073 h1.2; Mechanical14 "25" at 146.116,27.773 h1.2; Mechanical14 "20" at 146.116,40.473 h1.2; Mechanical14 "15" at 146.216,53.273 h1.2; Mechanical14 "10" at 146.191,65.873 h1.2; Mechanical14 "5" at 147.241,78.523 h1.2; Mechanical14 "32" at 146.116,9.993 h1.2; Mechanical14 "1" at 147.641,88.833 h1.2; Mechanical14 "c" at 150.241,88.748 h1.2 r90; Mechanical14 "a" at 155.321,88.748 h1.2 r90; Mechanical8 "PCB" at 159.766,48.108 h1.2 r90